# KiCad board design.kicad_pcb (continued)
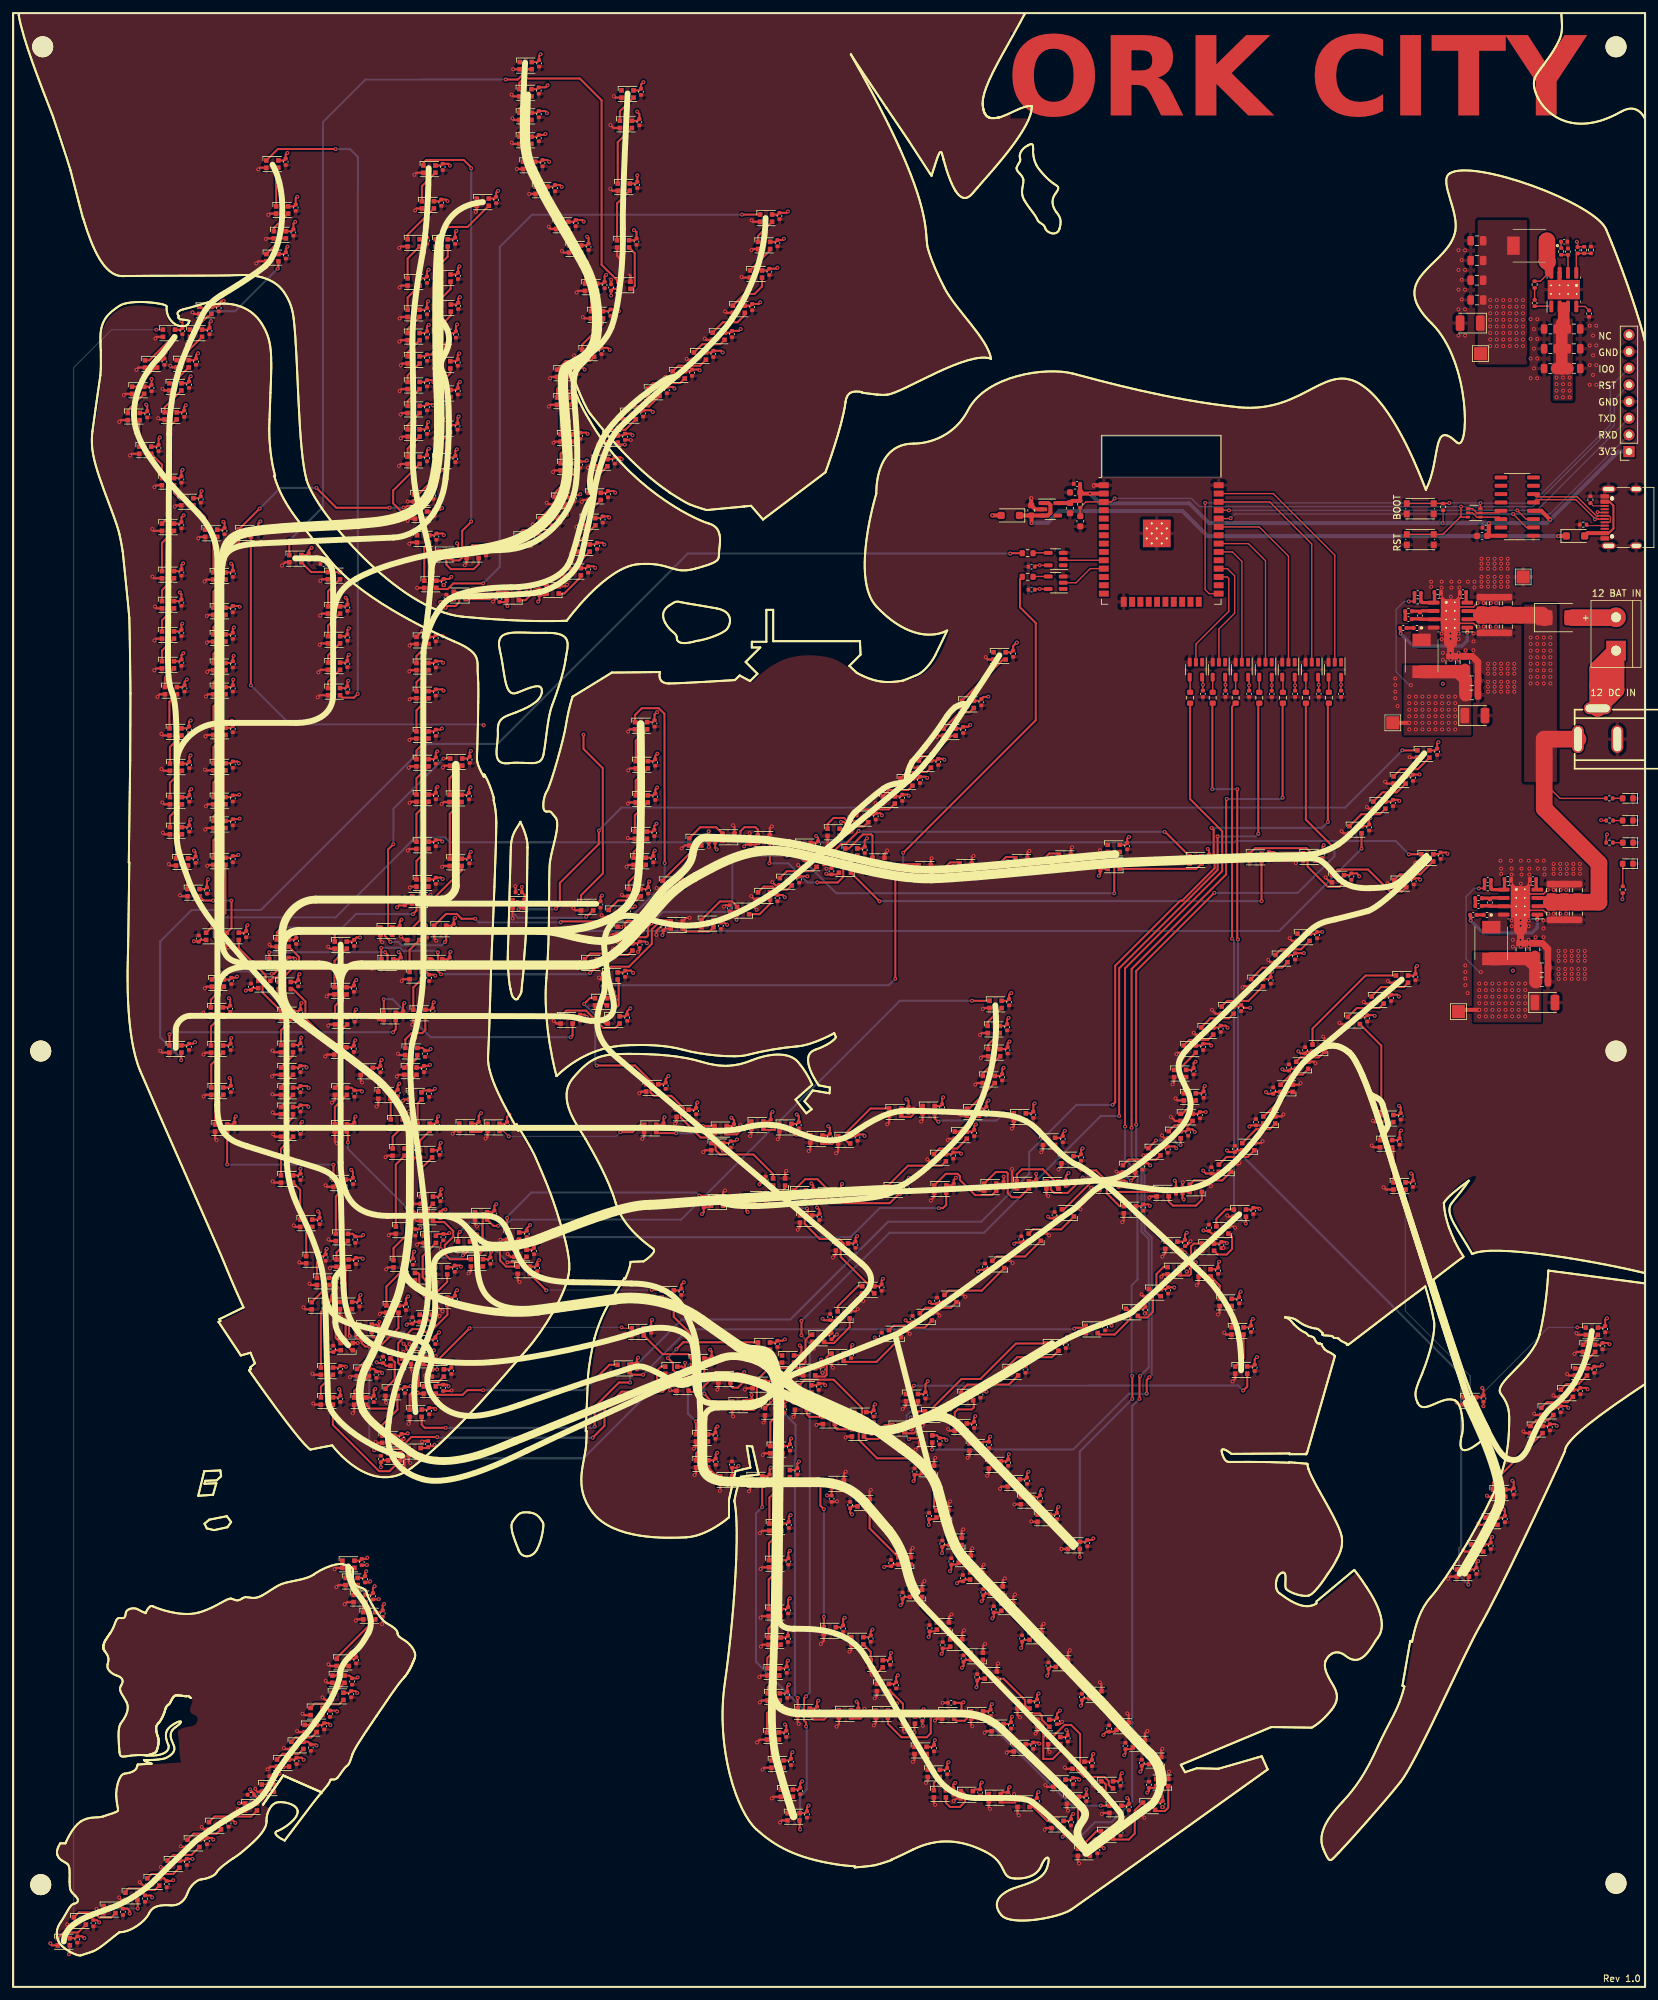
[diagram p0: board, top side]
## Footprints (pads in the part's own frame, mm; a bottom-side part is the same pattern mirrored in y, then rotated) (continued)

## Nets
+3.3V: C1.1 C2.1 C3.1 C4.1 C7.1 J1.1 R3.1 R4.1 R5.2 U1.4 U1.16 U2.2 U3.5
+5V: C8.1 C9.1 C10.1 C11.1 C12.1 C14.1 C24.1 C25.1 C26.1 C27.1 C28.1 C30.1 C40.1 C41.1 C42.1 C43.1 C44.1 C46.1 C56.1 C57.1 C58.1 C59.1 C60.1 C61.1 C62.1 C63.1 C64.1 C65.1 C66.1 C67.1 C68.1 C69.1 C70.1 C71.1 C72.1 C73.1 C74.1 C75.1 C76.1 C77.1 C78.1 C79.1 C80.1 C81.1 C82.1 C83.1 C84.1 C85.1 C86.1 C87.1 C88.1 C89.1 C90.1 C91.1 C92.1 C93.1 C94.1 C95.1 C96.1 C97.1 C98.1 C99.1 C100.1 C101.1 C102.1 C103.1 C104.1 C105.1 C106.1 C107.1 C108.1 C109.1 C110.1 C111.1 C112.1 C113.1 C114.1 C115.1 C116.1 C117.1 C118.1 C119.1 C120.1 C121.1 C122.1 C123.1 C124.1 C125.1 C126.1 C127.1 C128.1 C129.1 C130.1 C131.1 C132.1 C133.1 C134.1 C135.1 C136.1 C137.1 C138.1 C139.1 C140.1 C141.1 C142.1 C143.1 C144.1 C145.1 C146.1 C147.1 C148.1 C149.1 C150.1 C151.1 C152.1 C153.1 C154.1 C155.1 C156.1 C157.1 C158.1 C159.1 C160.1 C161.1 C162.1 C163.1 C164.1 C165.1 C166.1 C167.1 C168.1 C169.1 C170.1 C171.1 C172.1 C173.1 C174.1 C175.1 C176.1 C177.1 C178.1 C179.1 C180.1 C181.1 C182.1 C183.1 C184.1 C185.1 C186.1 C187.1 C188.1 C189.1 C190.1 C191.1 C192.1 C193.1 C194.1 C195.1 C196.1 C197.1 C198.1 C199.1 C200.1 C201.1 C202.1 C203.1 C204.1 C205.1 C206.1 C207.1 C208.1 C209.1 C210.1 C211.1 C212.1 C213.1 C214.1 C215.1 C216.1 C217.1 C218.1 C219.1 C220.1 C221.1 C222.1 C223.1 C224.1 C225.1 C226.1 C227.1 C228.1 C229.1 C230.1 C231.1 C232.1 C233.1 C234.1 C235.1 C236.1 C237.1 C238.1 C239.1 C240.1 C241.1 C242.1 C243.1 C244.1 C245.1 C246.1 C247.1 C248.1 C249.1 C250.1 C251.1 C252.1 C253.1 C254.1 C255.1 C256.1 C257.1 C258.1 C259.1 C260.1 C261.1 C262.1 C263.1 C264.1 C265.1 C266.1 C267.1 C268.1 C269.1 C270.1 C271.1 C272.1 C273.1 C274.1 C275.1 C276.1 C277.1 C278.1 C279.1 C280.1 C281.1 C282.1 C283.1 C284.1 C285.1 C286.1 C287.1 C288.1 C289.1 C290.1 C291.1 C292.1 C293.1 C294.1 C295.1 C296.1 C297.1 C298.1 C299.1 C300.1 C301.1 C302.1 C303.1 C304.1 C305.1 C306.1 C307.1 C308.1 C309.1 C310.1 C311.1 C312.1 C313.1 C314.1 C315.1 C316.1 C317.1 C318.1 C319.1 C320.1 C321.1 C322.1 C323.1 C324.1 C325.1 C326.1 C327.1 C328.1 C329.1 C330.1 C331.1 C332.1 C333.1 C334.1 C335.1 C336.1 C337.1 C338.1 C339.1 C340.1 C341.1 C342.1 C343.1 C344.1 C345.1 C346.1 C347.1 C348.1 C349.1 C350.1 C351.1 C352.1 C353.1 C354.1 C355.1 C356.1 C357.1 C358.1 C359.1 C360.1 C361.1 C362.1 C363.1 C364.1 C365.1 C366.1 C367.1 C368.1 C369.1 C370.1 C371.1 C372.1 C373.1 C374.1 C375.1 C376.1 C377.1 C378.1 C379.1 C380.1 C381.1 C382.1 C383.1 C384.1 C385.1 C386.1 C387.1 C388.1 C389.1 C390.1 C391.1 C392.1 C393.1 C394.1 C395.1 C396.1 C397.1 C398.1 C399.1 C400.1 C401.1 C402.1 C403.1 C404.1 C405.1 C406.1 C407.1 C408.1 C409.1 C410.1 C411.1 C412.1 C413.1 C414.1 C415.1 C416.1 C417.1 C418.1 C419.1 C420.1 C421.1 C422.1 C423.1 C424.1 C425.1 C426.1 C427.1 C428.1 C429.1 C430.1 C431.1 C432.1 C433.1 C434.1 C435.1 C436.1 C437.1 C438.1 C439.1 C440.1 C441.1 C442.1 C443.1 C444.1 C445.1 C446.1 C447.1 C448.1 C449.1 C450.1 C451.1 C452.1 C453.1 C454.1 C455.1 C456.1 C457.1 C458.1 C459.1 C460.1 C461.1 C462.1 C463.1 C464.1 C465.1 C466.1 C467.1 C468.1 C469.1 C470.1 C471.1 C472.1 C473.1 C474.1 C475.1 C476.1 C477.1 C478.1 C479.1 C480.1 C481.1 C482.1 C483.1 C484.1 C485.1 C486.1 C487.1 C488.1 C489.1 C490.1 C491.1 C492.1 C493.1 C494.1 C495.1 C496.1 C497.1 C498.1 C499.1 C500.1 C501.1 C502.1 C503.1 C504.1 C505.1 C506.1 C507.1 C508.1 C509.1 C510.1 C511.1 C512.1 C513.1 C514.1 C515.1 C516.1 C517.1 C518.1 C519.1 C520.1 C521.1 C522.1 C523.1 C524.1 C525.1 C526.1 C527.1 C528.1 C529.1 C530.1 C531.1 C532.1 C533.1 C534.1 C535.1 C536.1 C537.1 C538.1 C539.1 C540.1 C541.1 C542.1 D2.2 D9.4 D10.4 D11.4 D12.4 D13.4 D14.4 D15.4 D16.4 D17.4 D18.4 D19.4 D20.4 D21.4 D22.4 D23.4 D24.4 D25.4 D26.4 D27.4 D28.4 D29.4 D30.4 D31.4 D32.4 D33.4 D34.4 D35.4 D36.4 D37.4 D38.4 D39.4 D40.4 D41.4 D42.4 D43.4 D44.4 D45.4 D46.4 D47.4 D48.4 D49.4 D50.4 D51.4 D52.4 D53.4 D54.4 D55.4 D56.4 D57.4 D58.4 D59.4 D60.4 D61.4 D62.4 D63.4 D64.4 D65.4 D66.4 D67.4 D68.4 D69.4 D70.4 D71.4 D72.4 D73.4 D74.4 D75.4 D76.4 D77.4 D78.4 D79.4 D80.4 D81.4 D82.4 D83.4 D84.4 D85.4 D86.4 D87.4 D88.4 D89.4 D90.4 D91.4 D92.4 D93.4 D94.4 D95.4 D96.4 D97.4 D98.4 D99.4 D100.4 D101.4 D102.4 D103.4 D104.4 D105.4 D106.4 D107.4 D108.4 D109.4 D110.4 D111.4 D112.4 D113.4 D114.4 D115.4 D116.4 D117.4 D118.4 D119.4 D120.4 D121.4 D122.4 D123.4 D124.4 D125.4 D126.4 D127.4 D128.4 D129.4 D130.4 D131.4 D132.4 D133.4 D134.4 D135.4 D136.4 D137.4 D138.4 D139.4 D140.4 D141.4 D142.4 D143.4 D144.4 D145.4 D146.4 D147.4 D148.4 D149.4 D150.4 D151.4 D152.4 D153.4 D154.4 D155.4 D156.4 D157.4 D158.4 D159.4 D160.4 D161.4 D162.4 D163.4 D164.4 D165.4 D166.4 D167.4 D168.4 D169.4 D170.4 D171.4 D172.4 D173.4 D174.4 D175.4 D176.4 D177.4 D178.4 D179.4 D180.4 D181.4 D182.4 D183.4 D184.4 D185.4 D186.4 D187.4 D188.4 D189.4 D190.4 D191.4 D192.4 D193.4 D194.4 D195.4 D196.4 D197.4 D198.4 D199.4 D200.4 D201.4 D202.4 D203.4 D204.4 D205.4 D206.4 D207.4 D208.4 D209.4 D210.4 D211.4 D212.4 D213.4 D214.4 D215.4 D216.4 D217.4 D218.4 D219.4 D220.4 D221.4 D222.4 D223.4 D224.4 D225.4 D226.4 D227.4 D228.4 D229.4 D230.4 D231.4 D232.4 D233.4 D234.4 D235.4 D236.4 D237.4 D238.4 D239.4 D240.4 D241.4 D242.4 D243.4 D244.4 D245.4 D246.4 D247.4 D248.4 D249.4 D250.4 D251.4 D252.4 D253.4 D254.4 D255.4 D256.4 D257.4 D258.4 D259.4 D260.4 D261.4 D262.4 D263.4 D264.4 D265.4 D266.4 D267.4 D268.4 D269.4 D270.4 D271.4 D272.4 D273.4 D274.4 D275.4 D276.4 D277.4 D278.4 D279.4 D280.4 D281.4 D282.4 D283.4 D284.4 D285.4 D286.4 D287.4 D288.4 D289.4 D290.4 D291.4 D292.4 D293.4 D294.4 D295.4 D296.4 D297.4 D298.4 D299.4 D300.4 D301.4 D302.4 D303.4 D304.4 D305.4 D306.4 D307.4 D308.4 D309.4 D310.4 D311.4 D312.4 D313.4 D314.4 D315.4 D316.4 D317.4 D318.4 D319.4 D320.4 D321.4 D322.4 D323.4 D324.4 D325.4 D326.4 D327.4 D328.4 D329.4 D330.4 D331.4 D332.4 D333.4 D334.4 D335.4 D336.4 D337.4 D338.4 D339.4 D340.4 D341.4 D342.4 D343.4 D344.4 D345.4 D346.4 D347.4 D348.4 D349.4 D350.4 D351.4 D352.4 D353.4 D354.4 D355.4 D356.4 D357.4 D358.4 D359.4 D360.4 D361.4 D362.4 D363.4 D364.4 D365.4 D366.4 D367.4 D368.4 D369.4 D370.4 D371.4 D372.4 D373.4 D374.4 D375.4 D376.4 D377.4 D378.4 D379.4 D380.4 D381.4 D382.4 D383.4 D384.4 D385.4 D386.4 D387.4 D388.4 D389.4 D390.4 D391.4 D392.4 D393.4 D394.4 D395.4 D396.4 D397.4 D398.4 D399.4 D400.4 D401.4 D402.4 D403.4 D404.4 D405.4 D406.4 D407.4 D408.4 D409.4 D410.4 D411.4 D412.4 D413.4 D414.4 D415.4 D416.4 D417.4 D418.4 D419.4 D420.4 D421.4 D422.4 D423.4 D424.4 D425.4 D426.4 D427.4 D428.4 D429.4 D430.4 D431.4 D432.4 D433.4 D434.4 D435.4 D436.4 D437.4 D438.4 D439.4 D440.4 D441.4 D442.4 D443.4 D444.4 D445.4 D446.4 D447.4 D448.4 D449.4 D450.4 D451.4 D452.4 D453.4 D454.4 D455.4 D456.4 D457.4 D458.4 D459.4 D460.4 D461.4 D462.4 D463.4 D464.4 D465.4 D466.4 D467.4 D468.4 D469.4 D470.4 D471.4 D472.4 D473.4 D474.4 D475.4 D476.4 D477.4 D478.4 D479.4 D480.4 D481.4 D482.4 D483.4 D484.4 D485.4 D486.4 L1.2 L2.2 L3.2 R8.1 R9.1 R13.1 R14.1 R18.1 TP1.1 TP3.1 TP4.1 U7.5 U8.5 U9.5 U10.5 U11.5 U12.5 U13.5 U14.5 U15.5
/Controller/+12v: C15.1 C16.1 C17.1 C18.1 C19.1 C20.1 C31.1 C32.1 C33.1 C34.1 C35.1 C36.1 C47.1 C48.1 C49.1 C50.1 C51.1 C52.1 D5.1 J4.1 R6.2 U4.2 U4.3 U5.2 U5.3 U6.2 U6.3
/Controller/VBUS: D1.2 J2.A4 J2.A9 J2.B4 J2.B9
GND: C1.2 C2.2 C3.2 C4.2 C5.2 C6.2 C7.2 C8.2 C9.2 C10.2 C11.2 C12.2 C15.2 C16.2 C17.2 C18.2 C19.2 C20.2 C21.2 C22.2 C23.2 C24.2 C25.2 C26.2 C27.2 C28.2 C31.2 C32.2 C33.2 C34.2 C35.2 C36.2 C37.2 C38.2 C39.2 C40.2 C41.2 C42.2 C43.2 C44.2 C47.2 C48.2 C49.2 C50.2 C51.2 C52.2 C53.2 C54.2 C55.2 C56.2 C57.2 C58.2 C59.2 C60.2 C61.2 C62.2 C63.2 C64.2 C65.2 C66.2 C67.2 C68.2 C69.2 C70.2 C71.2 C72.2 C73.2 C74.2 C75.2 C76.2 C77.2 C78.2 C79.2 C80.2 C81.2 C82.2 C83.2 C84.2 C85.2 C86.2 C87.2 C88.2 C89.2 C90.2 C91.2 C92.2 C93.2 C94.2 C95.2 C96.2 C97.2 C98.2 C99.2 C100.2 C101.2 C102.2 C103.2 C104.2 C105.2 C106.2 C107.2 C108.2 C109.2 C110.2 C111.2 C112.2 C113.2 C114.2 C115.2 C116.2 C117.2 C118.2 C119.2 C120.2 C121.2 C122.2 C123.2 C124.2 C125.2 C126.2 C127.2 C128.2 C129.2 C130.2 C131.2 C132.2 C133.2 C134.2 C135.2 C136.2 C137.2 C138.2 C139.2 C140.2 C141.2 C142.2 C143.2 C144.2 C145.2 C146.2 C147.2 C148.2 C149.2 C150.2 C151.2 C152.2 C153.2 C154.2 C155.2 C156.2 C157.2 C158.2 C159.2 C160.2 C161.2 C162.2 C163.2 C164.2 C165.2 C166.2 C167.2 C168.2 C169.2 C170.2 C171.2 C172.2 C173.2 C174.2 C175.2 C176.2 C177.2 C178.2 C179.2 C180.2 C181.2 C182.2 C183.2 C184.2 C185.2 C186.2 C187.2 C188.2 C189.2 C190.2 C191.2 C192.2 C193.2 C194.2 C195.2 C196.2 C197.2 C198.2 C199.2 C200.2 C201.2 C202.2 C203.2 C204.2 C205.2 C206.2 C207.2 C208.2 C209.2 C210.2 C211.2 C212.2 C213.2 C214.2 C215.2 C216.2 C217.2 C218.2 C219.2 C220.2 C221.2 C222.2 C223.2 C224.2 C225.2 C226.2 C227.2 C228.2 C229.2 C230.2 C231.2 C232.2 C233.2 C234.2 C235.2 C236.2 C237.2 C238.2 C239.2 C240.2 C241.2 C242.2 C243.2 C244.2 C245.2 C246.2 C247.2 C248.2 C249.2 C250.2 C251.2 C252.2 C253.2 C254.2 C255.2 C256.2 C257.2 C258.2 C259.2 C260.2 C261.2 C262.2 C263.2 C264.2 C265.2 C266.2 C267.2 C268.2 C269.2 C270.2 C271.2 C272.2 C273.2 C274.2 C275.2 C276.2 C277.2 C278.2 C279.2 C280.2 C281.2 C282.2 C283.2 C284.2 C285.2 C286.2 C287.2 C288.2 C289.2 C290.2 C291.2 C292.2 C293.2 C294.2 C295.2 C296.2 C297.2 C298.2 C299.2 C300.2 C301.2 C302.2 C303.2 C304.2 C305.2 C306.2 C307.2 C308.2 C309.2 C310.2 C311.2 C312.2 C313.2 C314.2 C315.2 C316.2 C317.2 C318.2 C319.2 C320.2 C321.2 C322.2 C323.2 C324.2 C325.2 C326.2 C327.2 C328.2 C329.2 C330.2 C331.2 C332.2 C333.2 C334.2 C335.2 C336.2 C337.2 C338.2 C339.2 C340.2 C341.2 C342.2 C343.2 C344.2 C345.2 C346.2 C347.2 C348.2 C349.2 C350.2 C351.2 C352.2 C353.2 C354.2 C355.2 C356.2 C357.2 C358.2 C359.2 C360.2 C361.2 C362.2 C363.2 C364.2 C365.2 C366.2 C367.2 C368.2 C369.2 C370.2 C371.2 C372.2 C373.2 C374.2 C375.2 C376.2 C377.2 C378.2 C379.2 C380.2 C381.2 C382.2 C383.2 C384.2 C385.2 C386.2 C387.2 C388.2 C389.2 C390.2 C391.2 C392.2 C393.2 C394.2 C395.2 C396.2 C397.2 C398.2 C399.2 C400.2 C401.2 C402.2 C403.2 C404.2 C405.2 C406.2 C407.2 C408.2 C409.2 C410.2 C411.2 C412.2 C413.2 C414.2 C415.2 C416.2 C417.2 C418.2 C419.2 C420.2 C421.2 C422.2 C423.2 C424.2 C425.2 C426.2 C427.2 C428.2 C429.2 C430.2 C431.2 C432.2 C433.2 C434.2 C435.2 C436.2 C437.2 C438.2 C439.2 C440.2 C441.2 C442.2 C443.2 C444.2 C445.2 C446.2 C447.2 C448.2 C449.2 C450.2 C451.2 C452.2 C453.2 C454.2 C455.2 C456.2 C457.2 C458.2 C459.2 C460.2 C461.2 C462.2 C463.2 C464.2 C465.2 C466.2 C467.2 C468.2 C469.2 C470.2 C471.2 C472.2 C473.2 C474.2 C475.2 C476.2 C477.2 C478.2 C479.2 C480.2 C481.2 C482.2 C483.2 C484.2 C485.2 C486.2 C487.2 C488.2 C489.2 C490.2 C491.2 C492.2 C493.2 C494.2 C495.2 C496.2 C497.2 C498.2 C499.2 C500.2 C501.2 C502.2 C503.2 C504.2 C505.2 C506.2 C507.2 C508.2 C509.2 C510.2 C511.2 C512.2 C513.2 C514.2 C515.2 C516.2 C517.2 C518.2 C519.2 C520.2 C521.2 C522.2 C523.2 C524.2 C525.2 C526.2 C527.2 C528.2 C529.2 C530.2 C531.2 C532.2 C533.2 C534.2 C535.2 C536.2 C537.2 C538.2 C539.2 C540.2 C541.2 C542.2 D3.1 D4.1 D6.1 D7.1 D9.2 D10.2 D11.2 D12.2 D13.2 D14.2 D15.2 D16.2 D17.2 D18.2 D19.2 D20.2 D21.2 D22.2 D23.2 D24.2 D25.2 D26.2 D27.2 D28.2 D29.2 D30.2 D31.2 D32.2 D33.2 D34.2 D35.2 D36.2 D37.2 D38.2 D39.2 D40.2 D41.2 D42.2 D43.2 D44.2 D45.2 D46.2 D47.2 D48.2 D49.2 D50.2 D51.2 D52.2 D53.2 D54.2 D55.2 D56.2 D57.2 D58.2 D59.2 D60.2 D61.2 D62.2 D63.2 D64.2 D65.2 D66.2 D67.2 D68.2 D69.2 D70.2 D71.2 D72.2 D73.2 D74.2 D75.2 D76.2 D77.2 D78.2 D79.2 D80.2 D81.2 D82.2 D83.2 D84.2 D85.2 D86.2 D87.2 D88.2 D89.2 D90.2 D91.2 D92.2 D93.2 D94.2 D95.2 D96.2 D97.2 D98.2 D99.2 D100.2 D101.2 D102.2 D103.2 D104.2 D105.2 D106.2 D107.2 D108.2 D109.2 D110.2 D111.2 D112.2 D113.2 D114.2 D115.2 D116.2 D117.2 D118.2 D119.2 D120.2 D121.2 D122.2 D123.2 D124.2 D125.2 D126.2 D127.2 D128.2 D129.2 D130.2 D131.2 D132.2 D133.2 D134.2 D135.2 D136.2 D137.2 D138.2 D139.2 D140.2 D141.2 D142.2 D143.2 D144.2 D145.2 D146.2 D147.2 D148.2 D149.2 D150.2 D151.2 D152.2 D153.2 D154.2 D155.2 D156.2 D157.2 D158.2 D159.2 D160.2 D161.2 D162.2 D163.2 D164.2 D165.2 D166.2 D167.2 D168.2 D169.2 D170.2 D171.2 D172.2 D173.2 D174.2 D175.2 D176.2 D177.2 D178.2 D179.2 D180.2 D181.2 D182.2 D183.2 D184.2 D185.2 D186.2 D187.2 D188.2 D189.2 D190.2 D191.2 D192.2 D193.2 D194.2 D195.2 D196.2 D197.2 D198.2 D199.2 D200.2 D201.2 D202.2 D203.2 D204.2 D205.2 D206.2 D207.2 D208.2 D209.2 D210.2 D211.2 D212.2 D213.2 D214.2 D215.2 D216.2 D217.2 D218.2 D219.2 D220.2 D221.2 D222.2 D223.2 D224.2 D225.2 D226.2 D227.2 D228.2 D229.2 D230.2 D231.2 D232.2 D233.2 D234.2 D235.2 D236.2 D237.2 D238.2 D239.2 D240.2 D241.2 D242.2 D243.2 D244.2 D245.2 D246.2 D247.2 D248.2 D249.2 D250.2 D251.2 D252.2 D253.2 D254.2 D255.2 D256.2 D257.2 D258.2 D259.2 D260.2 D261.2 D262.2 D263.2 D264.2 D265.2 D266.2 D267.2 D268.2 D269.2 D270.2 D271.2 D272.2 D273.2 D274.2 D275.2 D276.2 D277.2 D278.2 D279.2 D280.2 D281.2 D282.2 D283.2 D284.2 D285.2 D286.2 D287.2 D288.2 D289.2 D290.2 D291.2 D292.2 D293.2 D294.2 D295.2 D296.2 D297.2 D298.2 D299.2 D300.2 D301.2 D302.2 D303.2 D304.2 D305.2 D306.2 D307.2 D308.2 D309.2 D310.2 D311.2 D312.2 D313.2 D314.2 D315.2 D316.2 D317.2 D318.2 D319.2 D320.2 D321.2 D322.2 D323.2 D324.2 D325.2 D326.2 D327.2 D328.2 D329.2 D330.2 D331.2 D332.2 D333.2 D334.2 D335.2 D336.2 D337.2 D338.2 D339.2 D340.2 D341.2 D342.2 D343.2 D344.2 D345.2 D346.2 D347.2 D348.2 D349.2 D350.2 D351.2 D352.2 D353.2 D354.2 D355.2 D356.2 D357.2 D358.2 D359.2 D360.2 D361.2 D362.2 D363.2 D364.2 D365.2 D366.2 D367.2 D368.2 D369.2 D370.2 D371.2 D372.2 D373.2 D374.2 D375.2 D376.2 D377.2 D378.2 D379.2 D380.2 D381.2 D382.2 D383.2 D384.2 D385.2 D386.2 D387.2 D388.2 D389.2 D390.2 D391.2 D392.2 D393.2 D394.2 D395.2 D396.2 D397.2 D398.2 D399.2 D400.2 D401.2 D402.2 D403.2 D404.2 D405.2 D406.2 D407.2 D408.2 D409.2 D410.2 D411.2 D412.2 D413.2 D414.2 D415.2 D416.2 D417.2 D418.2 D419.2 D420.2 D421.2 D422.2 D423.2 D424.2 D425.2 D426.2 D427.2 D428.2 D429.2 D430.2 D431.2 D432.2 D433.2 D434.2 D435.2 D436.2 D437.2 D438.2 D439.2 D440.2 D441.2 D442.2 D443.2 D444.2 D445.2 D446.2 D447.2 D448.2 D449.2 D450.2 D451.2 D452.2 D453.2 D454.2 D455.2 D456.2 D457.2 D458.2 D459.2 D460.2 D461.2 D462.2 D463.2 D464.2 D465.2 D466.2 D467.2 D468.2 D469.2 D470.2 D471.2 D472.2 D473.2 D474.2 D475.2 D476.2 D477.2 D478.2 D479.2 D480.2 D481.2 D482.2 D483.2 D484.2 D485.2 D486.2 J1.4 J1.7 J2.A1 J2.A12 J2.B1 J2.B12 J2.S1 J4.2 R1.2 R2.2 R11.2 R16.2 R21.2 SW1.2 SW2.1 TP2.1 U1.1 U2.1 U2.15 U2.38 U2.39 U3.2 U4.7 U4.9 U5.7 U5.9 U6.7 U6.9 U7.3 U8.3 U9.3 U10.3 U11.3 U12.3 U13.3 U14.3 U15.3
/Controller/D+: J2.A6 J2.B6 U1.5
/Controller/D-: J2.A7 J2.B7 U1.6
/Controller/IO0: J1.6 Q1.3 R3.2 SW1.1 U2.25
/Controller/IO4: U2.26
/Controller/IO5: U2.29
/Controller/IO12: U2.14
/Controller/IO13: U2.16
/Controller/IO14: U2.13
/Controller/IO16: U2.27 U7.2
/Controller/IO17: U2.28 U8.2
/Controller/IO18: U2.30 U9.2
/Controller/IO19: U2.31 U10.2
/Controller/IO21: U2.33 U11.2
/Controller/IO22: U2.36 U14.2
/Controller/IO23: U2.37 U15.2
/Controller/IO25: U2.10 U12.2
/Controller/IO26: U2.11 U13.2
/Controller/IO27: U2.12
/Controller/IO32: U2.8
/Controller/IO33: U2.9
/Controller/IO34: U2.6
/Controller/IO35: U2.7
/Controller/RESET: C5.1 J1.5 Q1.6 R4.2 SW2.2 U2.3
/Controller/RXD0: J1.2 U1.2 U2.34
/Controller/SW: L1.1 R7.1 U4.8
/Controller/SW1: L2.1 R12.1 U5.8
/Controller/SW3: L3.1 R17.1 U6.8
/Controller/TXD0: J1.3 U1.3 U2.35
Net-(C13-Pad1): C13.1 R7.2
Net-(C23-Pad1): C23.1 R10.2
Net-(C29-Pad1): C29.1 R12.2
Net-(C39-Pad1): C39.1 R15.2
Net-(C45-Pad1): C45.1 R17.2
Net-(C55-Pad1): C55.1 R20.2
Net-(D1-K): C6.1 D1.1 D2.1 U3.1 U3.3
Net-(D3-A): D3.2 R5.1
Net-(D4-A): D4.2 R6.1
Net-(D5-A): D5.2 J3.2
Net-(D6-A): D6.2 R9.2
Net-(D7-A): D7.2 R14.2
Net-(D9-DIN): D9.3 R22.2
Net-(D10-DIN): D9.1 D10.3
Net-(D10-DOUT): D10.1 D11.3
Net-(D11-DOUT): D11.1 D12.3
Net-(D12-DOUT): D12.1 D13.3
Net-(D13-DOUT): D13.1 D14.3
Net-(D14-DOUT): D14.1 D15.3
Net-(D15-DOUT): D15.1 D16.3
Net-(D16-DOUT): D16.1 D17.3
Net-(D17-DOUT): D17.1 D18.3
Net-(D18-DOUT): D18.1 D19.3
Net-(D19-DOUT): D19.1 D20.3
Net-(D20-DOUT): D20.1 D21.3
Net-(D21-DOUT): D21.1 D22.3
Net-(D22-DOUT): D22.1 D23.3
Net-(D23-DOUT): D23.1 D24.3
Net-(D24-DOUT): D24.1 D25.3
Net-(D25-DOUT): D25.1 D26.3
Net-(D26-DOUT): D26.1 D27.3
Net-(D27-DOUT): D27.1 D28.3
Net-(D28-DOUT): D28.1 D29.3
Net-(D29-DOUT): D29.1 D30.3
Net-(D30-DOUT): D30.1 D31.3
Net-(D31-DOUT): D31.1 D32.3
Net-(D32-DOUT): D32.1 D33.3
Net-(D33-DOUT): D33.1 D34.3
Net-(D34-DOUT): D34.1 D35.3
Net-(D35-DOUT): D35.1 D36.3
Net-(D36-DOUT): D36.1 D37.3
Net-(D37-DOUT): D37.1 D38.3
Net-(D38-DOUT): D38.1 D39.3
Net-(D39-DOUT): D39.1 D40.3
Net-(D40-DOUT): D40.1 D41.3
Net-(D41-DOUT): D41.1 D42.3
Net-(D42-DOUT): D42.1 D43.3
Net-(D43-DOUT): D43.1 D44.3
Net-(D44-DOUT): D44.1 D45.3
Net-(D45-DOUT): D45.1 D46.3
Net-(D46-DOUT): D46.1 D47.3
Net-(D47-DOUT): D47.1 D48.3
Net-(D48-DOUT): D48.1 D49.3
Net-(D49-DOUT): D49.1 D50.3
Net-(D50-DOUT): D50.1 D51.3
Net-(D51-DOUT): D51.1 D52.3
Net-(D52-DOUT): D52.1 D53.3
Net-(D53-DOUT): D53.1 D54.3
Net-(D54-DOUT): D54.1 D55.3
Net-(D55-DOUT): D55.1 D56.3
Net-(D56-DOUT): D56.1 D57.3
Net-(D57-DOUT): D57.1 D58.3
Net-(D58-DOUT): D58.1 D59.3
Net-(D59-DOUT): D59.1 D60.3
Net-(D60-DOUT): D60.1 D61.3
Net-(D61-DOUT): D61.1 D62.3
Net-(D62-DOUT): D62.1 D63.3
Net-(D63-DOUT): D63.1 D64.3
Net-(D64-DOUT): D64.1 D65.3
Net-(D65-DOUT): D65.1 D66.3
Net-(D66-DOUT): D66.1 D67.3
Net-(D68-DIN): D68.3 D69.1
Net-(D69-DIN): D69.3 D70.1
Net-(D70-DIN): D70.3 D71.1
Net-(D71-DIN): D71.3 D72.1
Net-(D72-DIN): D72.3 D73.1
Net-(D73-DIN): D73.3 D74.1
Net-(D74-DIN): D74.3 D75.1
Net-(D75-DIN): D75.3 D76.1
Net-(D76-DIN): D76.3 D77.1
Net-(D77-DIN): D77.3 D78.1
Net-(D78-DIN): D78.3 D79.1
Net-(D79-DIN): D79.3 D80.1
Net-(D80-DIN): D80.3 D81.1
Net-(D81-DIN): D81.3 D82.1
Net-(D82-DIN): D82.3 D83.1
Net-(D83-DIN): D83.3 D84.1
Net-(D84-DIN): D84.3 D85.1
Net-(D85-DIN): D85.3 D86.1
Net-(D86-DIN): D86.3 D87.1
Net-(D87-DIN): D87.3 D88.1
Net-(D88-DIN): D88.3 D89.1
Net-(D89-DIN): D89.3 D90.1
Net-(D90-DIN): D90.3 D91.1
Net-(D91-DIN): D91.3 D92.1
Net-(D92-DIN): D92.3 D93.1
Net-(D93-DIN): D93.3 D94.1
Net-(D94-DIN): D94.3 D95.1
Net-(D95-DIN): D95.3 D96.1
Net-(D96-DIN): D96.3 D97.1
Net-(D97-DIN): D97.3 D98.1
Net-(D98-DIN): D98.3 D99.1
Net-(D100-DIN): D100.3 D101.1
Net-(D100-DOUT): D99.3 D100.1
Net-(D101-DIN): D101.3 D102.1
Net-(D102-DIN): D102.3 D103.1
Net-(D103-DIN): D103.3 D104.1
Net-(D104-DIN): D104.3 D105.1
Net-(D105-DIN): D67.1 D105.3
Net-(D106-DIN): D106.3 R23.2
Net-(D106-DOUT): D106.1 D107.3
Net-(D107-DOUT): D107.1 D108.3
Net-(D108-DOUT): D108.1 D109.3
Net-(D109-DOUT): D109.1 D110.3
Net-(D110-DOUT): D110.1 D111.3
Net-(D111-DOUT): D111.1 D112.3
Net-(D112-DOUT): D112.1 D113.3
Net-(D113-DOUT): D113.1 D114.3
Net-(D114-DOUT): D114.1 D115.3
Net-(D115-DOUT): D115.1 D116.3
Net-(D116-DOUT): D116.1 D117.3
Net-(D117-DOUT): D117.1 D118.3
Net-(D118-DOUT): D118.1 D119.3
Net-(D119-DOUT): D119.1 D120.3
Net-(D120-DOUT): D120.1 D121.3
Net-(D121-DOUT): D121.1 D122.3
Net-(D122-DOUT): D122.1 D123.3
Net-(D123-DOUT): D123.1 D124.3
Net-(D124-DOUT): D124.1 D125.3
Net-(D125-DOUT): D125.1 D126.3
Net-(D126-DOUT): D126.1 D127.3
Net-(D127-DOUT): D127.1 D128.3
Net-(D128-DOUT): D128.1 D129.3
Net-(D129-DOUT): D129.1 D130.3
Net-(D130-DOUT): D130.1 D131.3
Net-(D131-DOUT): D131.1 D132.3
Net-(D132-DOUT): D132.1 D133.3
Net-(D133-DOUT): D133.1 D134.3
Net-(D134-DOUT): D134.1 D135.3
Net-(D135-DOUT): D135.1 D136.3
Net-(D136-DOUT): D136.1 D137.3
Net-(D137-DOUT): D137.1 D138.3
Net-(D138-DOUT): D138.1 D139.3
Net-(D139-DOUT): D139.1 D140.3
Net-(D140-DOUT): D140.1 D141.3
Net-(D141-DOUT): D141.1 D142.3
Net-(D142-DOUT): D142.1 D143.3
Net-(D143-DOUT): D143.1 D144.3
Net-(D144-DOUT): D144.1 D145.3
Net-(D145-DOUT): D145.1 D146.3
Net-(D146-DOUT): D146.1 D147.3
Net-(D147-DOUT): D147.1 D148.3
Net-(D148-DOUT): D148.1 D149.3
Net-(D149-DOUT): D149.1 D150.3
Net-(D150-DOUT): D150.1 D151.3
Net-(D151-DOUT): D151.1 D152.3
Net-(D152-DOUT): D152.1 D153.3
Net-(D153-DOUT): D153.1 D154.3
Net-(D154-DOUT): D154.1 D155.3
Net-(D155-DOUT): D155.1 D156.3
Net-(D156-DOUT): D156.1 D157.3
Net-(D157-DOUT): D157.1 D158.3
Net-(D158-DOUT): D158.1 D159.3
Net-(D159-DOUT): D159.1 D160.3
Net-(D160-DOUT): D160.1 D161.3
Net-(D161-DOUT): D161.1 D162.3
Net-(D162-DOUT): D162.1 D163.3
Net-(D163-DOUT): D163.1 D164.3
Net-(D164-DOUT): D164.1 D165.3
Net-(D165-DOUT): D165.1 D166.3
Net-(D166-DOUT): D166.1 D167.3
Net-(D167-DOUT): D167.1 D207.3
Net-(D168-DIN): D168.3 D169.1
Net-(D169-DIN): D169.3 D170.1
Net-(D170-DIN): D170.3 D171.1
Net-(D171-DIN): D171.3 D172.1
Net-(D172-DIN): D172.3 D173.1
Net-(D173-DIN): D173.3 D174.1
Net-(D174-DIN): D174.3 D175.1
Net-(D175-DIN): D175.3 D176.1
Net-(D176-DIN): D176.3 D177.1
Net-(D177-DIN): D177.3 D178.1
Net-(D178-DIN): D178.3 D179.1
Net-(D179-DIN): D179.3 D180.1
Net-(D180-DIN): D180.3 D181.1
Net-(D181-DIN): D181.3 D182.1
Net-(D182-DIN): D182.3 D183.1
Net-(D183-DIN): D183.3 D184.1
Net-(D184-DIN): D184.3 D185.1
Net-(D185-DIN): D185.3 D186.1
Net-(D186-DIN): D186.3 D187.1
Net-(D187-DIN): D187.3 D188.1
Net-(D188-DIN): D188.3 D189.1
Net-(D189-DIN): D189.3 D190.1
Net-(D190-DIN): D190.3 D191.1
Net-(D191-DIN): D191.3 D192.1
Net-(D192-DIN): D192.3 D193.1
Net-(D193-DIN): D193.3 D194.1
Net-(D194-DIN): D194.3 D195.1
Net-(D195-DIN): D195.3 D196.1
Net-(D196-DIN): D196.3 D197.1
Net-(D197-DIN): D197.3 D198.1
Net-(D198-DIN): D198.3 D199.1
Net-(D199-DIN): D199.3 D200.1
Net-(D200-DIN): D200.3 D201.1
Net-(D201-DIN): D201.3 D202.1
Net-(D202-DIN): D202.3 D203.1
Net-(D203-DIN): D203.3 D204.1
Net-(D204-DIN): D204.3 D205.1
Net-(D205-DIN): D205.3 D206.1
Net-(D206-DIN): D206.3 D207.1
Net-(D208-DIN): D208.3 R24.2
Net-(D208-DOUT): D208.1 D209.3
Net-(D209-DOUT): D209.1 D210.3
Net-(D210-DOUT): D210.1 D211.3
Net-(D211-DOUT): D211.1 D212.3
Net-(D212-DOUT): D212.1 D213.3
Net-(D213-DOUT): D213.1 D214.3
Net-(D214-DOUT): D214.1 D215.3
Net-(D215-DOUT): D215.1 D216.3
Net-(D216-DOUT): D216.1 D217.3
Net-(D217-DOUT): D217.1 D218.3
Net-(D218-DOUT): D218.1 D219.3
Net-(D219-DOUT): D219.1 D220.3
Net-(D220-DOUT): D220.1 D221.3
Net-(D221-DOUT): D221.1 D222.3
Net-(D222-DOUT): D222.1 D223.3
Net-(D223-DOUT): D223.1 D224.3
Net-(D224-DOUT): D224.1 D225.3
Net-(D225-DOUT): D225.1 D226.3
Net-(D226-DOUT): D226.1 D227.3
Net-(D227-DOUT): D227.1 D228.3
Net-(D228-DOUT): D228.1 D229.3
Net-(D229-DOUT): D229.1 D230.3
Net-(D230-DOUT): D230.1 D231.3
Net-(D231-DOUT): D231.1 D232.3
Net-(D232-DOUT): D232.1 D233.3
Net-(D233-DOUT): D233.1 D234.3
Net-(D234-DOUT): D234.1 D235.3
Net-(D235-DOUT): D235.1 D236.3
Net-(D236-DOUT): D236.1 D237.3
Net-(D237-DOUT): D237.1 D238.3
Net-(D238-DOUT): D238.1 D239.3
Net-(D239-DOUT): D239.1 D240.3
Net-(D240-DOUT): D240.1 D241.3
Net-(D241-DOUT): D241.1 D242.3
Net-(D242-DOUT): D242.1 D243.3
Net-(D243-DOUT): D243.1 D244.3
Net-(D244-DOUT): D244.1 D245.3
Net-(D245-DOUT): D245.1 D246.3
Net-(D246-DOUT): D246.1 D247.3
Net-(D247-DOUT): D247.1 D248.3
Net-(D248-DOUT): D248.1 D249.3
Net-(D249-DOUT): D249.1 D250.3
Net-(D250-DOUT): D250.1 D251.3
Net-(D251-DOUT): D251.1 D252.3
Net-(D252-DOUT): D252.1 D253.3
Net-(D253-DOUT): D253.1 D254.3
Net-(D254-DOUT): D254.1 D255.3
Net-(D255-DOUT): D255.1 D256.3
Net-(D256-DOUT): D256.1 D257.3
Net-(D257-DOUT): D257.1 D258.3
Net-(D258-DOUT): D258.1 D259.3
Net-(D259-DOUT): D259.1 D260.3
Net-(D260-DOUT): D260.1 D261.3
Net-(D261-DOUT): D261.1 D262.3
Net-(D263-DIN): D263.3 R25.2
Net-(D263-DOUT): D263.1 D264.3
Net-(D264-DOUT): D264.1 D265.3
Net-(D265-DOUT): D265.1 D266.3
Net-(D266-DOUT): D266.1 D267.3
Net-(D267-DOUT): D267.1 D268.3
Net-(D268-DOUT): D268.1 D269.3
Net-(D269-DOUT): D269.1 D270.3
Net-(D270-DOUT): D270.1 D271.3
Net-(D271-DOUT): D271.1 D272.3
Net-(D272-DOUT): D272.1 D273.3
Net-(D273-DOUT): D273.1 D274.3
Net-(D274-DOUT): D274.1 D275.3
Net-(D275-DOUT): D275.1 D276.3
Net-(D276-DOUT): D276.1 D277.3
Net-(D277-DOUT): D277.1 D278.3
Net-(D278-DOUT): D278.1 D279.3
Net-(D279-DOUT): D279.1 D280.3
Net-(D280-DOUT): D280.1 D281.3
Net-(D281-DOUT): D281.1 D282.3
Net-(D282-DOUT): D282.1 D283.3
Net-(D283-DOUT): D283.1 D284.3
Net-(D284-DOUT): D284.1 D285.3
Net-(D285-DOUT): D285.1 D286.3
Net-(D286-DOUT): D286.1 D287.3
Net-(D287-DOUT): D287.1 D288.3
Net-(D288-DOUT): D288.1 D289.3
Net-(D289-DOUT): D289.1 D290.3
Net-(D290-DOUT): D290.1 D291.3
Net-(D291-DOUT): D291.1 D292.3
Net-(D292-DOUT): D292.1 D293.3
Net-(D293-DOUT): D293.1 D294.3
Net-(D294-DOUT): D294.1 D295.3
Net-(D295-DOUT): D295.1 D296.3
Net-(D296-DOUT): D296.1 D297.3
Net-(D297-DOUT): D297.1 D298.3
Net-(D298-DOUT): D298.1 D299.3
Net-(D299-DOUT): D299.1 D300.3
Net-(D300-DOUT): D300.1 D301.3
Net-(D301-DOUT): D301.1 D302.3
Net-(D302-DOUT): D302.1 D303.3
Net-(D303-DOUT): D303.1 D304.3
Net-(D304-DOUT): D304.1 D305.3
Net-(D305-DOUT): D305.1 D306.3
Net-(D306-DOUT): D306.1 D307.3
Net-(D307-DOUT): D307.1 D308.3
Net-(D308-DOUT): D308.1 D309.3
Net-(D309-DOUT): D309.1 D310.3
Net-(D310-DOUT): D310.1 D311.3
Net-(D311-DOUT): D311.1 D312.3
Net-(D312-DOUT): D312.1 D313.3
Net-(D313-DOUT): D313.1 D314.3
Net-(D314-DOUT): D314.1 D315.3
Net-(D315-DOUT): D315.1 D316.3
Net-(D316-DOUT): D316.1 D317.3
Net-(D317-DOUT): D317.1 D318.3
Net-(D318-DOUT): D318.1 D319.3
Net-(D319-DOUT): D319.1 D320.3
Net-(D320-DOUT): D320.1 D321.3
Net-(D321-DOUT): D321.1 D322.3
Net-(D322-DOUT): D322.1 D343.3
Net-(D323-DIN): D323.3 D324.1
Net-(D324-DIN): D324.3 D325.1
Net-(D325-DIN): D325.3 D326.1
Net-(D326-DIN): D326.3 D327.1
